# Altium PCB AirPi2_Sensors.PcbDoc (continued)
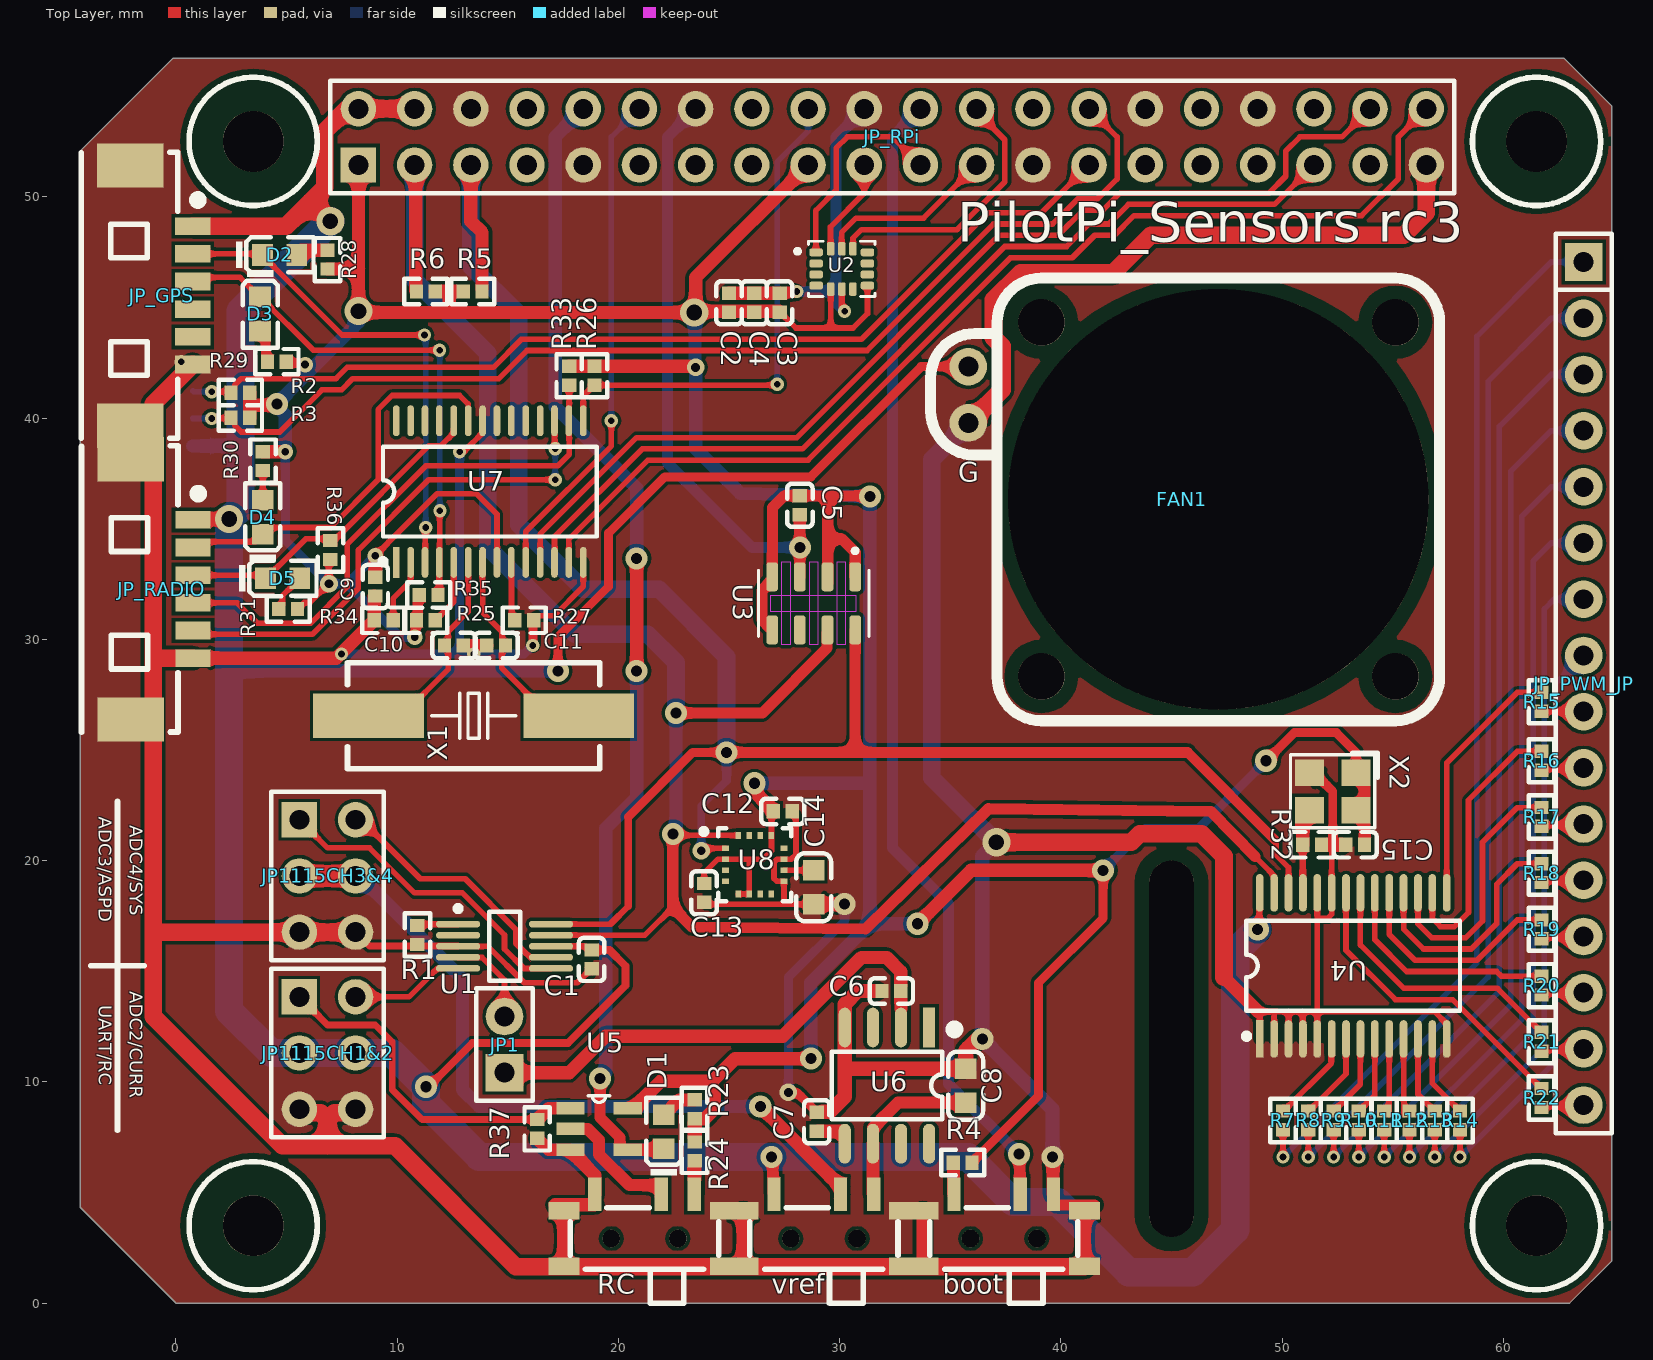
[diagram p0: Top Layer view]
## Part data (continued)
JP_GPS JP_RADIO: library part "Header 6", "6P接插件"
JP_IIC0: library part "Header 4", "4P接插件"
JP_PWM_JP: library part "Header 16", "16P接插件"
JP_RPi: library part "Header 20X2", "20*2P接插件"
R1 R4 R24 R25 R33 R34 R35 R36 R37: library part "0402 10KΩ (1002) 1%", "贴片电阻", Package=0402, SuppliersPartNumber=C25744, ComponentLink1Description=供?, ComponentLink1URL=http://www.szlcsc.com/product/details_26487.html, Supplier=LC
R2 R3: library part "0402 4.7KΩ (4701) 1%", "贴片电阻", Package=0402, SuppliersPartNumber=C25900, ComponentLink1Description=供?, ComponentLink1URL=http://www.szlcsc.com/product/details_26643.html, Supplier=LC
R5 R6 R32: library part "0402 3.3KΩ (3301) 1%", "贴片电阻", Package=0402, SuppliersPartNumber=C25890, ComponentLink1Description=供?, ComponentLink1URL=http://www.szlcsc.com/product/details_26633.html, Supplier=LC
R7 R8 R9 R10 R11 R12 R13 R14 R15 R16 R17 R18 R19 R20 R21 R22: library part "0402 220Ω (2200) 1%", "贴片电阻", Package=0402, SuppliersPartNumber=C25091, ComponentLink1Description=供?, ComponentLink1URL=http://www.szlcsc.com/product/details_25834.html, Supplier=LC
R23 R26 R27 R29 R31: library part "0402 1KΩ (1001) 1%", "贴片电阻", Package=0402, SuppliersPartNumber=C11702, ComponentLink1Description=供?, ComponentLink1URL=http://www.szlcsc.com/product/details_12256.html, Supplier=LC
R28 R30: library part "0402 470Ω (4700) 1%", "贴片电阻", Package=0402, SuppliersPartNumber=C25117, ComponentLink1Description=供?, ComponentLink1URL=http://www.szlcsc.com/product/details_25860.html, Supplier=LC
S1 S2 S3: library part SSW-1P, "1路波动开关"
U1: "16-Bit ADC with Integrated Multiplexer, PGA, Comparator, Oscillator, and Reference, -40 to 125 degC, 10-pin SOP (DGS10), Green (RoHS & no Sb/Br)", Analog Voltage AV/DD(Max)(V)=5.5, Analog Voltage AV/DD(Min)(V)=2, Manufacturer="Texas Instruments", Supplier Part Number 1=296-13060-2-ND, # Input Channels=4, Architecture=Delta-Sigma, Code_JEDEC=MO-153, ComponentLink1Description="Manufacturer URL", ComponentLink1URL=http://www.ti.com/, ComponentLink2Description=Datasheet, ComponentLink2URL=http://www.ti.com/general/docs/lit/getliterature.tsp?genericPartNumber=ADS1115&fileType=pdf, ComponentLink3Description="Package Specification", ComponentLink3URL=http://www.ti.com/lit/ml/mpds035b/mpds035b.pdf, DatasheetVersion=SBAS444B, Digital Supply(Max)(V)=5.5, Digital Supply(Min)(V)=2, Eco-Plan="Green (RoHS & no Sb/Br)", INL(Max)(+/-LSB)=1, Interface="Serial I2C", Mounting Technology="Surface Mount", PackageDescription="10-Pin Plastic Small Outline, Body 3 x 3 mm, Pitch 0.5 mm", PackageReference=DGS10, PackageVersion="4073272/C, 02/2004", PartNumber=ADS1115IDGSR, Resolution(Bits)=16, Sample Rate (max)(SPS)=860, SubFamily="Precision ADC (<=10MSPS)", Supplier 1=Digi-Key, Supplier 2=Digi-Key, Supplier 3=Digi-Key, Supplier 4=Newark, Supplier 5=Mouser, Supplier Part Number 2=296-13060-1-ND, Supplier Part Number 3=296-13060-6-ND, Supplier Part Number 4=74C7007, Supplier Part Number 5=595-ADS1253E/2K5
U2: "Accelerometer, Gyroscope, 6 Axis Sensor I?2C, I3Ca??, SPI Output", Package="- TDK InvenSense", Digi-Key_Part_Number=1428-1152-1-ND, Digi-Key_Purchase_URL=https://www.digikey.com.cn/product-detail/zh/tdk-invensense/ICM-42605/1428-1152-1-ND/9953675?utm_source=snapeda&utm_medium=aggregator&utm_campaign=symbol, MF="TDK InvenSense", MP=ICM-42605, SnapEDA_Link=https://www.snapeda.com/parts/ICM-42605/TDK%20InvenSense/view-part/3226540/?ref=snap
U3: "Pressure Sensor 0.15PSI ~ 17.4PSI _1kPa ~ 120kPa_ Absolute 24 b 8-SMD", Package="SMD-8 TE Connectivity", Availability=Unavailable, MF="TE Connectivity", MP=MS5611-01BA03, Price=None, SnapEDA_Link=https://www.snapeda.com/parts/MS5611-01BA03/TE%20Connectivity%20ALCOSWITCH%20Switches/view-part/2889268/?ref=snap, TE_purchase_URL=https://www.te.com/usa-en/product-MS5611-01BA03.html?te_bu=Cor&te_type=disp&te_campaign=seda_glo_cor-seda-global-disp-prtnr-fy19-seda-model-bom-cta_sma-317_1&elqCampaignId=32493
U4: "16-channel, 12-bit PWM Fm+ I2C-bus LED controller"
U5: "XOR _Exclusive OR_ IC 1 Channel SOT-23-5", Package="SOT-23 ON Semiconductor", Availability=Unavailable, MF="ON Semiconductor", MP=NC7SZ86M5, Price=None, SnapEDA_Link=https://www.snapeda.com/parts/NC7SZ86M5/ON%20Semiconductor/view-part/2718212/?ref=snap
U6: "高精度电压基准"
X1: library part XTAL-2P, "2脚无源脚晶振"
X2: library part XTAL-ACT-4P, "4脚有源晶振"

## Free pads (board coordinates)
  oval 2x17 hole 2 slot 17 at 90 deg: 4(45,11.5)
  round 2.75 on Top Paste: 5(3.5,3.5) 5(3.5,52.5) 5(61.5,3.5) 5(61.5,52.5)
  round 2.75 hole 2.75: FH0(3.5,52.5) FH1(61.5,52.5) FH2(61.5,3.5) FH3(3.5,3.5)

## Via types
v1: diameter 0.6, hole 0.3, Top Layer to Bottom Layer, 25 vias
v2: diameter 1, hole 0.5, Top Layer to Bottom Layer, 23 vias
v3: diameter 1.27, hole 0.711, Top Layer to Bottom Layer, 5 vias
v4: diameter 0.7, hole 0.35, Top Layer to Bottom Layer, 4 vias
v5: diameter 0.8, hole 0.4, Top Layer to Bottom Layer, 4 vias

## Nets (pads, with @x,y where several pads share a name; then routed paths per layer and width w, separated by ;. In a path a pad name is that pad's centre, name@x,y a point inside that pad or via, vN(x,y) a via of type N, cw(c..) or ccw(c..) an arc to the next point about the centre after c; other vN are vias at no path point)
3V3: C2.1 C3.1 C4.2 C5.2 C9.1 C12.1 C13.1 C15.1 JP_RPi.1 JP_RPi.17 R2.2 R3.1 R4.2 R5.1 R6.1 R23.1 R24.2 R25.1 R26.1 R28.1 R29.1 R30.1 R31.1 R33.2 R35.2 R36.2 U2.5 U2.8 U3.1 U3.2 U3.4 U3.5 U5.5 U7.8 U8.2 U8.5 U8.6 U8.13 X2.1 X2.4 | length 224.4
  Top Layer w0.254: R29.1 R29.1@5.061,42.481 ; R31.1 5.801,31.664 6.074,31.664 v5(6.921,32.512) 6.921,33.547 R36.2 ; v4@5.779,42.481 v4(5.842,42.418) ; v4(9.017,33.782) 11.811,36.576 13.589,36.576 14.515,35.65 U7.8 ; R35.2@10.942,31.941 R35.2 ; C13.1 23.876,19.431 24.509,20.064 24.835,20.064 U8.2 25.908,20.062 ; U8.5 U8.6 25.912,20.058 25.908,20.062 ; U3.4@26.816,32.298 26.954,32.436 U3.4 ; U3.5@26.924,30.536 U3.5@26.924,30.84 ; C12.1@27.007,22.25 C12.1 26.924,22.142 26.924,20.447 26.539,20.062 25.908,20.062 ; C3.1 27.313,44.783 28.027,44.069 29.599,44.069 ; U2.5 29.599,44.069 ; U3.1 30.704,32.669 U3.1@30.714,32.659 ; U2.8 31.259,44.721 30.607,44.069 29.599,44.069 ; R4.2 R4.2@35.985,6.375
  Top Layer w0.4: R29.1@5.061,42.481 v4@5.779,42.481 ; v4(10.795,30.099) 10.837,30.141 10.837,30.756 10.942,30.861 R35.2@10.942,31.941 ; R4.2@35.985,6.375 38.989,9.379 38.989,14.478 41.91,17.399 v2(41.91,19.558) ; v2(49.276,24.511) 50.546,25.781 52.451,25.781 53.335,24.897 X2.1
  Top Layer w0.5: U3.4@26.949,32.664 26.492,32.207 26.492,30.885 U3.5 ; U3.4@26.964,32.648 26.964,35.961 27.486,36.483 C5.2 28.922,36.483 29.464,36.483 ; U3.2@29.464,32.554 29.464,34.534 ; U3.1@30.674,32.823 U3.1@30.674,33.416 ; U3.1@30.714,32.648 30.714,32.659 30.714,32.823 30.714,33.241 30.714,33.929 30.109,34.534 29.464,34.534 ; v2(31.369,36.449) 31.335,36.483 29.464,36.483 ; C15.1 X2.1@53.726,24.272 ; 29.464,34.534 29.464,36.483
  Top Layer w0.6: R3.1 3.346,40.576 ; R2.2 3.346,40.577 ; R30.1 v4(4.953,38.481) ; v2(4.572,40.64) 4.509,40.577 3.346,40.577 ; R28.1 8.255,46.736 ; JP_RPi.1 8.255,46.736 ; C9.1 v4(9.017,33.782) ; R6.1 12.36,45.72 ; 12.36,45.182 12.36,45.72 ; R5.1 12.36,45.72 ; R33.2 v5@23.241,42.335 ; U5.5@20.78,8.89 21.923,10.033 23.955,10.033 24.106,9.882 ; v3(23.431,44.767) 8.319,44.767 v3(8.255,44.831) 8.255,46.736 ; R23.1 23.911,8.338 24.336,8.763 24.336,9.652 24.106,9.882 ; v2(26.162,23.495) 26.162,23.095 C12.1@27.007,22.25 ; C3.1@27.288,44.827 23.495,44.827 23.495,46.355 JP_RPi.17 ; v2(28.702,11.049) 25.273,11.049 24.106,9.882 ; v2(33.528,17.145) 35.941,19.558 v2(41.91,19.558)
  Top Layer w0.65: R24.2@23.447,7.493 R23.1@23.447,8.128
  Bottom Layer w0.4: v4(4.953,38.481) 4.953,34.48 v5(6.921,32.512) 7.747,32.512 ; v4(9.017,33.782) 7.747,32.512 ; v4(10.795,30.099) 10.16,30.099 7.747,32.512 ; v2(41.91,19.558) 43.815,21.463 46.228,21.463 v2(49.276,24.511)
  Bottom Layer w0.6: v4(4.953,38.481) 4.953,40.151 4.572,40.532 v2(4.572,40.64) 8.255,44.323 v3(8.255,44.831) ; v3@23.463,44.736 23.463,42.323 v5(23.495,42.291) 23.495,38.608 25.511,36.592 v2(31.369,36.449) 31.369,23.368 ; v2(26.162,23.495) 31.242,23.495 31.369,23.368 ; v2(28.702,11.049) 28.702,14.478 31.369,17.145 ; v2(33.528,17.145) 31.369,17.145 ; 31.369,17.145 31.369,23.368
5V: C1.1 FAN1.7 JP1115CH1&2.3 JP1115CH1&2.4 JP_GPS.1 JP_IIC0.1 JP_RADIO.1 JP_RPi.2 JP_RPi.4 S1.1 U1.8 U4.28 | length 182
  Top Layer w0.254: JP_RADIO.1 JP_RADIO.1@0.815,35.433 ; U1.8 C1.1@18.542,16.129 ; v2(26.924,6.604) v2@26.982,6.546 ; S1.1@26.982,4.975 S1.1 ; v2(48.895,16.891) 48.97,16.966 48.97,18.522 U4.28
  Top Layer w0.35: v2(11.303,9.779) 11.43,9.779 13.403,11.752 17.721,11.752 20.32,14.351 20.32,15.24 19.603,15.957 C1.1
  Top Layer w0.4: v2(17.272,28.575) 17.272,30.099 19.558,32.385 19.558,34.798 22.098,37.338 28.702,37.338 33.685,42.321 FAN1.7
  Top Layer w0.5: S1.1@26.982,4.975 v2@26.982,6.546
  Top Layer w0.6: JP_RADIO.1@0.815,35.433 v3(2.413,35.433)
  Top Layer w0.8: JP_GPS.1 4.98,48.668 6.096,49.784 ; v3(6.985,48.895) 6.096,49.784 ; JP_RPi.4 JP_RPi.2 7.747,53.975 6.731,52.959 6.731,50.419 6.096,49.784
  Bottom Layer w0.6: JP_IIC0.1 2.921,38.735 ; 2.413,28.575 v2(17.272,28.575)
  Bottom Layer w1.27: v3(6.985,48.895) 2.921,44.831 2.921,38.735 2.921,35.941 v3(2.413,35.433) 2.413,28.575 2.413,13.208 4.318,11.303 JP1115CH1&2.3 JP1115CH1&2.4 9.779,11.303 v2(11.303,9.779) 11.303,9.017 13.716,6.604 v2(26.924,6.604) 35.814,6.604 37.846,4.572 39.878,4.572 43.053,1.397 45.974,1.397 47.879,3.302 47.879,15.875 v2(48.895,16.891)
6V: C6.2 JP1.1 U6.2 | length 22.6
  Top Layer w0.55: U6.2@32.772,12.459 C6.2@32.772,14.101
  Top Layer w0.6: JP1.1 17.78,10.414 19.431,12.065 27.432,12.065 30.988,15.621 32.131,15.621 32.766,14.986 C6.2@32.766,14.351
ADS1115_CH2: JP1115CH1&2.2 U1.5 | length 5.2
  Top Layer w0.254: JP1115CH1&2.2 10.541,13.843 11.827,15.129 U1.5
ADS1115_CH4: JP1115CH3&4.2 U1.7 | length 11.8
  Top Layer w0.254: JP1115CH3&4.2 8.382,21.844 11.049,19.177 13.081,19.177 15.367,16.891 15.367,16.264 16.002,15.629 U1.7
BATT_V_DIV: JP1.2 U1.4 | length 4.2
  Top Layer w0.254: U1.4 12.768,15.62 13.844,15.62 14.859,14.605 JP1.2
CSN: JP_RPi.12 U7.10 | length 22.9
  Top Layer w0.254: U7.10 15.815,34.865 19.685,38.735 v1(19.685,39.878)
  Bottom Layer w0.254: v1(19.685,39.878) 19.685,52.705 JP_RPi.12 JP_RPi.12@20.701,53.975
CTSB: JP_RADIO.4 R33.1 U7.16 | length 24.8
  Top Layer w0.254: JP_RADIO.4 2.77,31.647 3.683,30.734 6.104,30.734 7.747,32.377 7.747,34.29 11.303,37.846 17.272,37.846 17.78,38.354 R33.1
EXTCLK: R32.1 U4.25 X2.3 | length 3.4
  Top Layer w0.254: R32.1 R32.1@50.933,20.71 ; U4.25@50.933,18.546 U4.25
  Top Layer w0.31: U4.25@50.933,18.546 R32.1@50.933,20.71
  Top Layer w0.6: R32.1 X2.3@50.927,21.971
GND: C1.2 C2.2 C3.2 C4.1 C5.1 C6.1 C7.2 C8.1 C9.2 C10.1 C11.1 C12.2 C13.2 C14.1 C15.2 FAN1.6 JP1115CH1&2.5 JP1115CH1&2.6 JP1115CH3&4.5 JP1115CH3&4.6 JP_GPS.0 JP_GPS.6 JP_IIC0.0 JP_IIC0.4 JP_RADIO.0 JP_RADIO.6 JP_RPi.6 JP_RPi.9 JP_RPi.14 JP_RPi.20 JP_RPi.25 JP_RPi.30 JP_RPi.34 JP_RPi.39 R1.2 R27.1 R32.2 R34.1 R37.2 S1.0 S2.0 S2.3 S3.0 S3.1 U1.3 U2.6 U3.3 U4.1 U4.2 U4.3 U4.4 U4.5 U4.14 U4.23 U4.24 U5.3 U6.4 U7.14 U7.22 U8.9 U8.11 X2.2 | length 353.5
  Top Layer w0.254: JP_GPS.0@-2.049,39.647 JP_GPS.0@-1.549,39.647 ; U1.3 12.768,16.12 14.106,16.12 15.748,14.478 18.142,14.478 18.771,15.107 C1.2 ; v1(12.827,38.481) 12.893,38.547 13.084,38.547 13.865,39.328 U7.22 ; v1(16.129,29.718) v1@16.151,29.74 ; R27.1@16.151,30.864 16.346,31.059 17.089,31.059 18.415,32.385 U7.14 ; C13.2 23.967,18.026 27.559,18.026 ; C3.2 C3.2@27.331,45.676 ; C12.2 28.03,22.052 28.03,20.283 27.811,20.064 27.489,20.064 U8.11 27.485,20.06 27.172,20.06 27.037,19.925 27.037,19.191 27.164,19.064 27.485,19.064 U8.9 27.487,18.098 27.559,18.026 ; v1@28.023,45.676 v1(28.067,45.72) ; C14.1@28.837,18.034 C14.1 27.559,18.026 ; U2.6 30.099,45.052 30.226,44.925 v1(30.226,44.831) ; v2(39.624,6.604) v2@39.646,6.582 ; S2.3@39.646,4.939 S2.3 39.667,4.617 S2.3@39.839,4.445 ; 48.929,13.174 50.292,13.174 ; U4.1 48.988,13.17 ; U4.2 49.638,13.17 ; U4.3@50.292,11.944 50.292,13.174 ; U4.4@50.927,11.951 50.927,13.174 ; U4.5@51.577,11.966 51.577,13.174 ; U4.24 51.588,13.185 51.577,13.174 ; 51.689,17.399 52.07,17.399 52.238,17.567 U4.23 52.238,20.546 ; U4.14 57.438,12.615 56.879,13.174 51.577,13.174 ; 50.292,13.174 50.927,13.174 ; 50.927,13.174 51.577,13.174
  Top Layer w0.3: JP1115CH3&4.6 8.754,16.138 U1.3@12.75,16.138
  Top Layer w0.4: v1@16.151,29.74 R27.1@16.151,30.864 ; v5(27.686,9.525) 28.067,9.525 28.949,8.643 C7.2@29.22,8.643 ; X2.2@51.523,23.891 52.285,23.129 52.285,20.716
  Top Layer w0.5: C3.2@27.331,45.676 v1@28.023,45.676 ; C5.1@28.164,35.633 28.204,35.593 v2(28.204,34.153) U3.3 ; S2.3@39.839,4.445 S2.0@41.529,4.445
  Top Layer w0.55: R37.2 16.85,6.934 U5.3@17.783,6.934
  Top Layer w0.6: JP_RADIO.6 7.256,29.147 8.971,30.861 C9.2@8.971,31.96 ; C10.1 C11.1 ; S3.0@17.145,4.445 S3.1@18.923,4.445 ; S3.0@17.535,1.671 S3.0@17.535,3.946 ; U5.3@17.808,6.909 18.935,5.782 S3.1 ; C2.2 C3.2 ; S1.0@25.639,1.671 S1.0@25.639,4.171 ; C14.1@28.837,18.034 v2(30.226,18.034) ; S2.0@33.767,1.671 S2.0@33.767,4.171 ; S2.3@39.646,4.939 v2@39.646,6.582 ; S2.0@41.067,1.651 41.067,1.671 S2.0@41.067,4.171 ; 47.371,14.732 48.929,13.174
  Top Layer w0.65: C7.2@29.22,8.643 29.556,8.643 30.236,9.323 U6.4 30.236,13.514 30.827,14.105 C6.1@31.633,14.105 ; 30.524,10.6 C8.1 35.697,11.44 36.195,11.938 v2(36.449,11.938) ; R32.2@52.068,20.716 52.285,20.716 C15.2@52.666,20.716
  Top Layer w0.8: JP_GPS.6 -1.016,40.64 -1.016,29.083 ; JP_RADIO.6 -0.952,29.147 -1.016,29.083 ; JP1115CH1&2.5 5.741,8.61 6.542,8.61 6.858,8.294 ; JP1115CH1&2.6 7.975,8.61 7.174,8.61 6.858,8.294 ; JP1115CH3&4.6 JP1115CH3&4.5 -1.016,16.764 ; FAN1.6@35.941,39.878 37.338,41.275 37.338,43.243 36.957,43.624 36.957,45.339 38.183,46.565 42.374,46.565 44.069,48.26 55.499,48.26 56.515,49.276 JP_RPi.39 ; v3(37.084,20.828) 43.18,20.828 43.561,21.209 46.355,21.209 47.371,20.193 47.371,14.732 ; S2.0@41.067,1.651 15.367,1.651 9.906,7.112 6.858,7.112 ; -1.016,16.764 -1.016,29.083 ; -1.016,16.764 -1.016,12.954 4.826,7.112 6.858,7.112 ; 6.858,7.112 6.858,8.294
  Bottom Layer w0.4: v1(7.493,29.337) 12.827,29.337 ; v1(12.827,38.481) 12.827,29.337 ; v1(16.129,29.718) 15.748,29.337 v1(13.462,29.337) 12.827,29.337 ; v5(27.686,9.525) 27.686,14.732 30.226,17.272 v2(30.226,18.034)
  Bottom Layer w0.5: JP_RPi.14 22.225,52.705 22.225,37.973 26.045,34.153 v2(28.204,34.153) ; v1(28.067,45.72) 29.845,45.72 ; v1(30.226,44.831) 29.845,45.212 29.845,45.72 ; JP_RPi.20 29.845,52.705 29.845,45.72
  Bottom Layer w0.65: v2(36.449,11.938) 36.449,20.193 v3(37.084,20.828) ; v2@36.453,11.934 39.624,8.763 v2(39.624,6.604)
  Bottom Layer w0.8: FAN1.6 34.163,38.126 34.163,23.749 v3(37.084,20.828)
  other v1: 0.254,42.545
GPCLK0_BCM4: JP_RPi.7
GPCLK1_BCM5: JP_RPi.29
GPCLK2_BCM6: JP_RPi.31
IIC0SCL_BCM1: JP_IIC0.2 JP_RPi.28 R3.2 | length 50.6
  Top Layer w0.254: v1(1.626,39.98) 1.639,39.993 2.484,39.993 R3.2 2.669,39.832 2.669,39.662 2.961,39.37 4.699,39.37 6.604,41.275 7.493,41.275 8.001,41.783 14.605,41.783 15.875,43.053 31.242,43.053 36.957,48.768 39.624,48.768 40.767,49.911 41.656,49.911 42.545,50.8 42.545,52.705 JP_RPi.28
  Bottom Layer w0.254: JP_IIC0.2 0.767,39.98 v1(1.626,39.98)
IIC0SDA_BCM0: JP_IIC0.3 JP_RPi.27 R2.1 | length 45
  Top Layer w0.254: v1@1.568,41.192 v1(1.626,41.192) 2.453,41.192 R2.1 2.669,41.321 2.669,41.491 2.961,41.783 7.239,41.783 7.747,42.291 14.351,42.291 15.621,43.561 30.988,43.561 36.703,49.276 39.116,49.276 JP_RPi.27
  Bottom Layer w0.254: JP_IIC0.3 0.806,41.192 v1(1.626,41.192)
IIC1SCL_BCM3: JP_RPi.5 R5.2 U1.10 U3.8 U4.26 U8.1 | length 93.3
  Top Layer w0.254: U1.10 19.669,17.129 ; v5(23.749,20.447) 23.897,20.447 24.012,20.562 U8.1 ; 49.657,20.955 49.721,20.892 49.721,20.256 50.288,19.689 U4.26
  Top Layer w0.3: 19.669,17.158 20.447,17.936
  Top Layer w0.35: 20.447,17.936 20.447,21.971
  Top Layer w0.4: 20.447,21.971 23.368,24.892 v2(24.892,24.892)
  Top Layer w0.45: 45.72,24.892 49.657,20.955
  Top Layer w0.5: v2(24.892,24.892) 25.781,24.892 30.704,24.892 ; U3.8 30.704,24.892 ; 45.72,24.892 30.704,24.892
  Top Layer w0.6: JP_RPi.5 13.335,48.895 13.843,48.387 R5.2@13.843,45.847
  Bottom Layer w0.35: v5(23.749,20.447) 23.749,22.479 24.892,23.622
  Bottom Layer w0.4: 24.892,23.622 v2(24.892,24.892)
  Bottom Layer w0.8: JP_RPi.5 13.335,46.863 15.494,44.704 15.494,35.179 18.415,32.258 21.844,32.258 24.892,29.21 v2(24.892,24.892)
IIC1SDA_BCM2: JP_RPi.3 R6.2 U1.9 U3.7 U4.27 U8.16 | length 95.7
  Top Layer w0.254: JP_RPi.3 JP_RPi.3@10.836,51.394 ; R6.2@10.836,45.761 R6.2 ; U1.9 21.201,16.629 22.46,17.888 ; v2@22.46,21.19 22.512,21.137 U8.16 ; U3.7@29.392,30.239 29.439,30.286 U3.7@29.454,30.301 ; 48.768,20.193 49.638,19.323 U4.27
  Top Layer w0.5: v2@22.46,21.19 22.46,17.888 23.321,17.006 31.177,16.913 36.736,22.343 46.781,22.224 48.766,20.192 ; v2(22.606,26.67) 26.508,26.67 29.439,29.601 U3.7@29.439,30.286
  Top Layer w0.6: R6.2@10.84,45.761 JP_RPi.3@10.84,51.394
  Bottom Layer w0.6: v2(22.479,21.209) 22.602,21.332 v2@22.602,26.666
  Bottom Layer w0.8: JP_RPi.3 10.795,46.228 14.097,42.926 14.097,34.163 18.034,30.226 21.336,30.226 22.606,28.956 v2(22.606,26.67)
IRQ: JP_RPi.18 R26.2 U7.15 | length 23.1
  Top Layer w0.254: U7.15 18.415,41.002 18.898,41.485 R26.2 27.134,41.485 v1(27.178,41.529)
  Bottom Layer w0.254: v1(27.178,41.529) 27.178,51.565 28.575,52.962 JP_RPi.18
MISO: JP_RPi.35 U7.12 | length 42.4
  Top Layer w0.254: U7.12 17.115,34.641 21.082,38.608 28.321,38.608 37.465,47.752 40.259,47.752 41.275,48.768 42.164,48.768 43.053,49.657 49.657,49.657 JP_RPi.35
MOSI: JP_RPi.38 U7.11 | length 47.4
  Top Layer w0.254: U7.11 16.465,34.753 20.828,39.116 28.067,39.116 37.211,48.26 39.878,48.26 41.021,49.403 41.91,49.403 42.672,50.165 49.403,50.165 50.165,50.927 50.165,52.07 50.8,52.705 52.705,52.705 JP_RPi.38
NetC7_1: C7.1 U6.5 | length 1.1
  Top Layer w0.6: C7.1@29.033,7.771 U6.5@30.099,7.77
NetC10_2: C10.2 U7.6 X1.1 | length 9.8
  Top Layer w0.254: X1.1 10.212,26.543 12.319,28.65 12.319,29.547 C10.2 12.307,29.877 12.307,30.341 13.215,31.249 U7.6
NetC11_2: C11.2 U7.7 X1.2 | length 9.7
  Top Layer w0.254: U7.7 13.865,31.22 14.744,30.341 14.744,29.877 C11.2 14.903,29.693 14.732,29.522 14.732,28.702 16.891,26.543 X1.2
NetC14_2: C14.2 U8.10 | length 1.3
  Top Layer w0.254: U8.10 28.825,19.562 C14.2
NetD1_A: D1.A R23.2 | length 1.7
  Top Layer w0.254: D1.A D1.A@22.075,8.517 ; R23.2@23.442,9.183 R23.2
  Top Layer w0.6: D1.A@22.075,8.517 22.741,9.183 R23.2@23.442,9.183
NetD2_A: D2.A R28.2 | length 1.5
  Top Layer w0.254: D2.A D2.A@5.676,47.586
  Top Layer w0.6: D2.A@5.676,47.586 R28.2
NetD3_A: D3.A R29.2 | length 1.5
  Top Layer w0.254: D3.A D3.A@4.064,43.68
  Top Layer w0.4: R29.2@4.064,42.545 D3.A@4.064,43.68
NetD4_A: D4.A R30.2 | length 1.3
  Top Layer w0.254: D4.A R30.2
NetD5_A: D5.A R31.2 | length 1.9
  Top Layer w0.254: R31.2@4.528,31.369 4.63,31.369 4.828,31.567 4.828,31.973 5.596,32.741 D5.A
NetJP1115CH3&4_3: JP1115CH3&4.3 JP1115CH3&4.4 S1.2 | length 33.9
  Top Layer w0.254: S1.2@29.879,5.207 29.989,5.317 30.039,5.367 30.039,5.267 S1.2
  Top Layer w0.6: v2(26.416,8.89) 29.989,5.317 S1.2@30.039,5.267 ; S1.2@30.039,4.893 S1.2
  Top Layer w1: JP1115CH3&4.3 JP1115CH3&4.4
  Bottom Layer w0.6: JP1115CH3&4.4 8.309,19.304 12.954,14.659 12.954,9.652 13.716,8.89 v2(26.416,8.89)
NetR1_1: R1.1 U1.1 | length 1.8
  Top Layer w0.3: R1.1@10.98,17.12 U1.1@12.75,17.12
NetR4_1: R4.1 S2.1 | length 1.4
  Top Layer w0.254: R4.1 R4.1@35.151,6.334 ; S2.1@35.151,4.933 S2.1
  Top Layer w0.6: S2.1@35.151,4.933 R4.1@35.151,6.334
NetR7_2: R7.2 U4.6 | length 4.2
  Top Layer w0.254: R7.2 50.063,8.68 52.22,10.837 U4.6@52.22,11.922
NetR8_2: R8.2 U4.7 | length 4
  Top Layer w0.254: R8.2 51.206,8.68 52.888,10.362 U4.7
NetR9_2: R9.2 U4.8 | length 3.8
  Top Layer w0.254: R9.2 53.538,9.894 U4.8
NetR10_2: R10.2 U4.9 | length 3.6
  Top Layer w0.254: R10.2 54.188,9.401 U4.9
NetR11_2: R11.2 U4.10 | length 3.4
  Top Layer w0.254: R11.2@54.838,8.509 U4.10
NetR12_2: R12.2 U4.11 | length 3.4
  Top Layer w0.254: R12.2@55.488,8.509 U4.11
NetR13_2: R13.2 U4.12 | length 3.6
  Top Layer w0.254: U4.12 56.138,9.438 R13.2
NetR14_2: R14.2 U4.13 | length 3.8
  Top Layer w0.254: U4.13 56.788,9.931 R14.2
NetR15_2: R15.2 U4.15 | length 11.5
  Top Layer w0.254: U4.15 57.438,24.418 60.623,27.603 R15.2
NetR16_2: R16.2 U4.16 | length 12.5
  Top Layer w0.254: U4.16 56.788,17.38 57.15,17.018 57.785,17.018 58.42,17.653 58.42,22.733 60.623,24.936 R16.2
NetR17_2: R17.2 U4.17 | length 11.8
  Top Layer w0.254: U4.17 56.138,17.141 56.769,16.51 58.293,16.51 59.055,17.272 59.055,20.828 60.623,22.396 R17.2
NetR18_2: R18.2 U4.18 | length 10.9
  Top Layer w0.254: U4.18 55.488,16.902 56.388,16.002 58.547,16.002 59.69,17.145 59.69,18.923 60.623,19.856 R18.2
NetR19_2: R19.2 U4.19 | length 10
  Top Layer w0.254: U4.19 54.838,16.663 56.007,15.494 58.801,15.494 60.623,17.316 R19.2
NetR20_2: R20.2 U4.20 | length 10.3
  Top Layer w0.254: U4.20 54.188,16.424 55.626,14.986 59.69,14.986 59.9,14.776 R20.2
NetR21_2: R21.2 U4.21 | length 12.2
  Top Layer w0.254: U4.21 53.538,16.185 55.499,14.224 59.734,14.224 R21.2
NetR22_2: R22.2 U4.22 | length 14
  Top Layer w0.254: U4.22 52.888,15.946 55.118,13.716 57.702,13.716 R22.2
NetR24_1: R24.1 S3.3 | length 1.5
  Top Layer w0.254: S3.3 S3.3@23.441,4.923 ; R24.1@23.441,6.427 R24.1
  Top Layer w0.6: S3.3@23.441,4.923 R24.1@23.441,6.427
NetR25_2: R25.2 U7.5 | length 3
  Top Layer w0.254: R25.2 11.728,30.886 11.901,31.059 11.93,31.059 12.565,31.694 U7.5
NetR27_2: R27.2 U7.9 | length 2.7
  Top Layer w0.254: U7.9 15.174,33.469 15.174,31.01 R27.2
NetR34_2: R34.2 U7.2 | length 2.9
  Top Layer w0.254: R34.2 9.823,31.842 10.615,32.634 U7.2
NetS3_2: S3.2 U5.2 | length 5.4
  Top Layer w0.55: U5.2 18.621,7.874 19.129,7.366 19.129,6.711 20.506,5.334 S3.2@21.796,5.334
PWM0: JP_PWM_JP.1 R7.1 | length 48.2
  Top Layer w0.254: v1(50.038,6.604) R7.1
  Bottom Layer w0.254: v1(50.038,6.604) 58.801,15.367 58.801,43.688 62.163,47.05 JP_PWM_JP.1
PWM0_BCM12: JP_RPi.32
PWM1: JP_PWM_JP.2 R8.1 | length 45.1
  Top Layer w0.254: v1(51.181,6.604) R8.1
  Bottom Layer w0.254: v1(51.181,6.604) 59.309,14.732 59.309,41.656 62.163,44.51 JP_PWM_JP.2
PWM1_BCM13: JP_RPi.33
PWM2: JP_PWM_JP.3 R9.1 | length 42.1
  Top Layer w0.254: v1(52.324,6.604) R9.1
  Bottom Layer w0.254: v1(52.324,6.604) 59.817,14.097 59.817,39.624 62.163,41.97 JP_PWM_JP.3
PWM3: JP_PWM_JP.4 R10.1 | length 39.1
  Top Layer w0.254: v1(53.467,6.604) R10.1
  Bottom Layer w0.254: v1(53.467,6.604) 60.325,13.462 60.325,37.592 62.163,39.43 JP_PWM_JP.4
PWM4: JP_PWM_JP.5 R11.1 | length 36.1
  Top Layer w0.254: v1(54.61,6.604) R11.1
  Bottom Layer w0.254: v1(54.61,6.604) 60.833,12.827 60.833,35.56 62.163,36.89 JP_PWM_JP.5
PWM5: JP_PWM_JP.6 R12.1 | length 33.1
  Top Layer w0.254: v1(55.753,6.604) R12.1
  Bottom Layer w0.254: v1(55.753,6.604) 61.341,12.192 61.341,33.528 62.163,34.35 JP_PWM_JP.6
PWM6: JP_PWM_JP.7 R13.1 | length 30
  Top Layer w0.254: v1(56.896,6.604) R13.1
  Bottom Layer w0.254: v1(56.896,6.604) 61.849,11.557 61.849,31.369 62.29,31.81 JP_PWM_JP.7
PWM7: JP_PWM_JP.8 R14.1 | length 26.2
  Top Layer w0.254: v1(58.039,6.604) R14.1
  Bottom Layer w0.254: v1(58.039,6.604) 62.357,10.922 62.357,28 JP_PWM_JP.8
PWM8: JP_PWM_JP.9 R15.1 | length 1.9
  Top Layer w0.254: R15.1 61.734,26.742 63.615,26.742 JP_PWM_JP.9
PWM9: JP_PWM_JP.10 R16.1 | length 1.9
  Top Layer w0.254: R16.1 61.774,24.138 63.575,24.138 JP_PWM_JP.10
PWM10: JP_PWM_JP.11 R17.1 | length 1.9
  Top Layer w0.254: R17.1 61.774,21.598 63.575,21.598 JP_PWM_JP.11
PWM11: JP_PWM_JP.12 R18.1 | length 1.9
  Top Layer w0.254: R18.1 61.774,19.058 63.575,19.058 JP_PWM_JP.12
PWM12: JP_PWM_JP.13 R19.1 | length 1.9
  Top Layer w0.254: R19.1 61.774,16.518 63.575,16.518 JP_PWM_JP.13
PWM13: JP_PWM_JP.14 R20.1 | length 1.9
  Top Layer w0.254: R20.1 61.774,13.978 63.575,13.978 JP_PWM_JP.14
PWM14: JP_PWM_JP.15 R21.1 | length 1.9
  Top Layer w0.254: R21.1 61.774,11.438 63.575,11.438 JP_PWM_JP.15
PWM15: JP_PWM_JP.16 R22.1 | length 1.9
  Top Layer w0.254: R22.1 61.774,8.898 63.575,8.898 JP_PWM_JP.16
RC_SIGNAL: JP1115CH1&2.1 R37.1 U5.1 | length 16
  Top Layer w0.254: R37.1@16.31,8.299 R37.1
  Top Layer w0.3: JP1115CH1&2.1 6.858,12.573 9.017,12.573 9.779,11.811 9.779,9.652 11.132,8.299 R37.1@16.31,8.299
  Top Layer w0.55: R37.1 16.85,8.814 U5.1
RTSB: JP_RADIO.5 U7.17 | length 23
  Top Layer w0.254: JP_RADIO.5 0.949,30.226 6.171,30.226 8.255,32.31 8.255,34.036 11.43,37.211 v1(17.145,37.211) ; U7.17 17.124,39.869 17.124,38.629 v1(17.145,38.608)
  Bottom Layer w0.254: v1(17.145,37.211) v1(17.145,38.608)
RXA: D3.K JP_GPS.3 R35.1 U7.4 | length 23.8
  Top Layer w0.254: JP_GPS.3 0.949,46.355 2.904,46.355 3.785,45.474 D3.K 6.215,43.069 v1(11.922,43.069) ; R35.1@11.728,32.004 11.728,32.029 R35.1@11.915,32.216 ; U7.4 11.924,33.487 11.924,35.8 v1(11.938,35.814)
  Top Layer w0.3: R35.1@11.915,32.216 U7.4
  Bottom Layer w0.254: v1(11.922,43.069) 11.938,43.053 v1(11.938,35.814)
RXB: D5.K JP_RADIO.3 R36.1 U7.24 | length 15
  Top Layer w0.254: JP_RADIO.3 4.231,32.897 5.878,34.544 7.239,34.544 11.43,38.735 11.972,38.735 12.565,39.328 U7.24
RXD_BCM15: D1.K JP_RPi.10 U5.4 | length 52.1
  Top Layer w0.254: U5.4@20.069,6.934 U5.4 ; D1.K@22.007,6.934 D1.K
  Top Layer w0.5: v2(19.177,10.16) 19.177,8.382 20.069,7.49 U5.4@20.069,6.934
  Top Layer w0.55: U5.4 D1.K@22.007,6.934
  Top Layer w0.6: v2(20.828,28.575) v2(20.828,33.655)
  Bottom Layer w0.6: JP_RPi.10 17.145,52.705 17.145,40.513 20.828,36.83 v2(20.828,33.655) ; v2(19.177,10.16) 19.431,10.414 19.431,21.463 20.828,22.86 v2(20.828,28.575)
SCLK: JP_RPi.40 U7.13 | length 49
  Top Layer w0.254: U7.13 17.765,34.529 21.336,38.1 28.575,38.1 37.719,47.244 40.513,47.244 41.529,48.26 42.418,48.26 43.307,49.149 53.594,49.149 55.245,50.8 55.245,52.705 JP_RPi.40
SDIOCLK_BCM22: JP_RPi.15
SDIOCMD_BCM23: JP_RPi.16
SDIODAT1_BCM25: JP_RPi.22 S2.2 | length 52
  Top Layer w0.254: v2(38.1,6.731) v2@38.134,6.697 ; S2.2@38.134,4.951 S2.2
  Top Layer w0.5: S2.2@38.134,4.951 v2@38.134,6.697
  Bottom Layer w0.5: JP_RPi.22 32.385,52.705 32.385,20.574 34.925,18.034 34.925,9.906 v2(38.1,6.731)
SDIODAT2_BCM26: JP_RPi.37
SDIODAT3_BCM27: JP_RPi.13
SPI0CE0_BCM8: JP_RPi.24 U2.12 | length 12
  Top Layer w0.254: U2.12@30.607,47.879 30.607,48.133 30.988,48.514 35.306,48.514 37.465,50.673 37.465,52.578 36.195,53.848 JP_RPi.24
SPI0CE1_BCM7: JP_RPi.26
SPI0MISO_BCM9: JP_RPi.21 U2.1 | length 9.6
  Top Layer w0.254: U2.1@28.931,47.486 28.931,49.378 29.845,50.292 29.845,52.197 30.353,52.705 32.385,52.705 JP_RPi.21
SPI0MOSI_BCM10: JP_RPi.19 U2.14 | length 4.4
  Top Layer w0.254: U2.14@29.591,47.646 29.591,48.641 31.115,50.165 JP_RPi.19
SPI0SCLK_BCM11: JP_RPi.23 U2.13 | length 8.1
  Top Layer w0.254: U2.13@30.091,47.646 30.091,48.379 30.747,49.035 33.795,49.035 JP_RPi.23
SPI1CE1_BCM17: JP_RPi.11
SPI1CE2_BCM16: JP_RPi.36
TXA: D2.K JP_GPS.2 U7.3 | length 22.3
  Top Layer w0.254: JP_GPS.2 3.874,47.418 D2.K 3.921,47.346 7.515,43.752 v1(11.239,43.752) ; U7.3 11.274,33.487 11.274,35.023 v1(11.303,35.052)
  Bottom Layer w0.254: v1(11.239,43.752) 11.295,43.696 11.295,35.06 v1(11.303,35.052)
TXB: D4.K JP_RADIO.2 U7.23 | length 18.1
  Top Layer w0.254: JP_RADIO.2 1.04,34.408 3.599,34.408 D4.K 4.243,35.052 6.985,35.052 9.144,37.211 9.144,40.386 9.779,41.021 12.827,41.021 13.215,40.633 U7.23
TXD_BCM14: JP_RPi.8
V_ASPD: JP1115CH3&4.1 U1.6 | length 14.5
  Top Layer w0.254: JP1115CH3&4.1 6.858,20.574 8.763,20.574 10.795,18.542 12.954,18.542 14.859,16.637 14.859,16.002 15.748,15.113 15.755,15.12 16.95,15.12 U1.6
V_REF: C8.2 S1.3 U6.6 | length 7
  Top Layer w0.254: U6.6@31.472,7.239 U6.6 ; S1.3@31.506,4.95 S1.3
  Top Layer w0.55: U6.6@31.506,7.926 32.641,9.061 C8.2
  Top Layer w0.6: S1.3@31.506,4.95 U6.6
pads on no net: "S1. " "S2. " "S3. " FAN1.8 FAN1.9 FAN1.10 FAN1.11 FAN1.12 JP_GPS.4 JP_GPS.5 U1.2 U2.2 U2.3 U2.4 U2.7 U2.9 U2.10 U2.11 U3.6 U6.1 U6.3 U6.7 U6.8 U7.1 U7.18 U7.19 U7.20 U7.21 U7.25 U7.26 U7.27 U7.28 U8.3 U8.4 U8.7 U8.8 U8.12 U8.14 U8.15

## Polygon pours and split planes (outlines as drawn)
GND on Bottom Layer "Bottom Layer-GND" (solid, remove dead copper, pour order 4): 62.738,56.261 64.897,54.102 64.897,1.905 62.992,0 0,0 -4.318,4.318 -4.318,52.07 -0.127,56.261
GND on Top Layer "Top Layer-GND" (solid, pour order 6): 62.738,56.261 64.897,54.102 64.897,1.905 62.992,0 0,0 -4.318,4.318 -4.318,52.07 -0.127,56.261

## Silkscreen, mask and mechanical layers (free items; w line width, h text height)
Top Overlay:
  circle w0.254: c61.5,3.5 r2.899
  circle w0.254: c3.5,52.5 r2.899
  circle w0.254: c61.5,52.5 r2.899
  circle w0.254: c3.5,3.5 r2.899
  lines w0.254: -3.842,15.24 -2.635,15.24 -1.429,15.24 ; -2.635,7.81 -2.635,22.669
  text "PilotPi_Sensors rc3" at 35.306,47.371 h3.05
  text "ADC3/ASPD" at -3.683,21.971 h1.02 r270
  text "ADC4/SYS" at -2.286,21.59 h1.02 r270
  text "ADC2/CURR" at -2.286,14.097 h1.02 r270
  text "UART/RC" at -3.683,13.462 h1.02 r270
  text "RC" at 19.05,0.127 h1.52
  text "vref" at 26.924,0.127 h1.52
  text "boot" at 34.671,0.127 h1.52
Bottom Overlay:
  circle w0.254: c3.5,3.5 r2.899
  circle w0.254: c61.5,3.5 r2.879
  circle w0.254: c61.5,52.5 r2.879
  circle w0.254: c3.5,52.5 r2.896
  lines w0.254: -2.54,29.337 -1.397,29.337 -1.397,31.623 -2.54,31.623 ; -2.54,29.972 -3.683,29.972 ; -3.683,29.972 -3.683,24.892 -2.54,24.892 -2.54,34.417 -3.683,34.417 -3.683,29.972
  text "GPS Port" at -3.429,30.226 h1.02 r270
  text "I2C0" at -2.286,29.591 h1.02 r270
  text "Telem Port" at -3.429,25.146 h1.02 r270
  text "FUNC" at -3.683,20.828 h0.76 r270
  text "VCC" at -3.683,18.288 h0.76 r270
  text "GND" at -3.683,15.748 h0.76 r270
  text "FUNC" at -3.683,12.954 h0.76 r270
  text "5V" at -3.683,11.176 h0.76 r270
  text "GND" at -3.683,8.509 h0.76 r270
  text "rc" at 19.812,0.254 h1.52
  text "~rc" at 23.876,0.254 h1.52
  text "5V" at 28.194,0.254 h1.52
  text "Vref" at 32.258,0.254 h1.52
  text "I" at 35.941,0.254 h1.52
  text "O" at 39.624,0.254 h1.52
Mechanical 1:
  lines w0.254: -4.318,5.588 ccw(c-1.143,5.588) -3.388,3.343 -0.975,0.93 ccw(c1.27,3.175) 1.27,0 61.341,0 ccw(c61.341,3.556) 64.897,3.556 64.897,52.705 ccw(c61.341,52.705) 61.341,56.261 1.27,56.261 ccw(c1.27,53.086) -0.975,55.331 -3.388,52.918 ccw(c-1.143,50.673) -4.318,50.673 -4.318,5.588

## Text inside footprints (layer, text, board x,y; h text height)
FAN1: Top Overlay "G" at 35.368,36.821 h1.52